# Altium PCB Copy of GPS_TRACKER_REVII.PcbDoc (part 2 of 2)
Units mm, origin at the board's own origin, x right, y up, seen from the top; angles counter-clockwise.
Board outline 100 x 74.9 mm, 4 copper layers (M1 Top, M2 Plane 1, M3 Layer 2, M4 Bottom), stack 1.49 mm thick; 83 components, 78 nets, 422 pads, 285 vias.
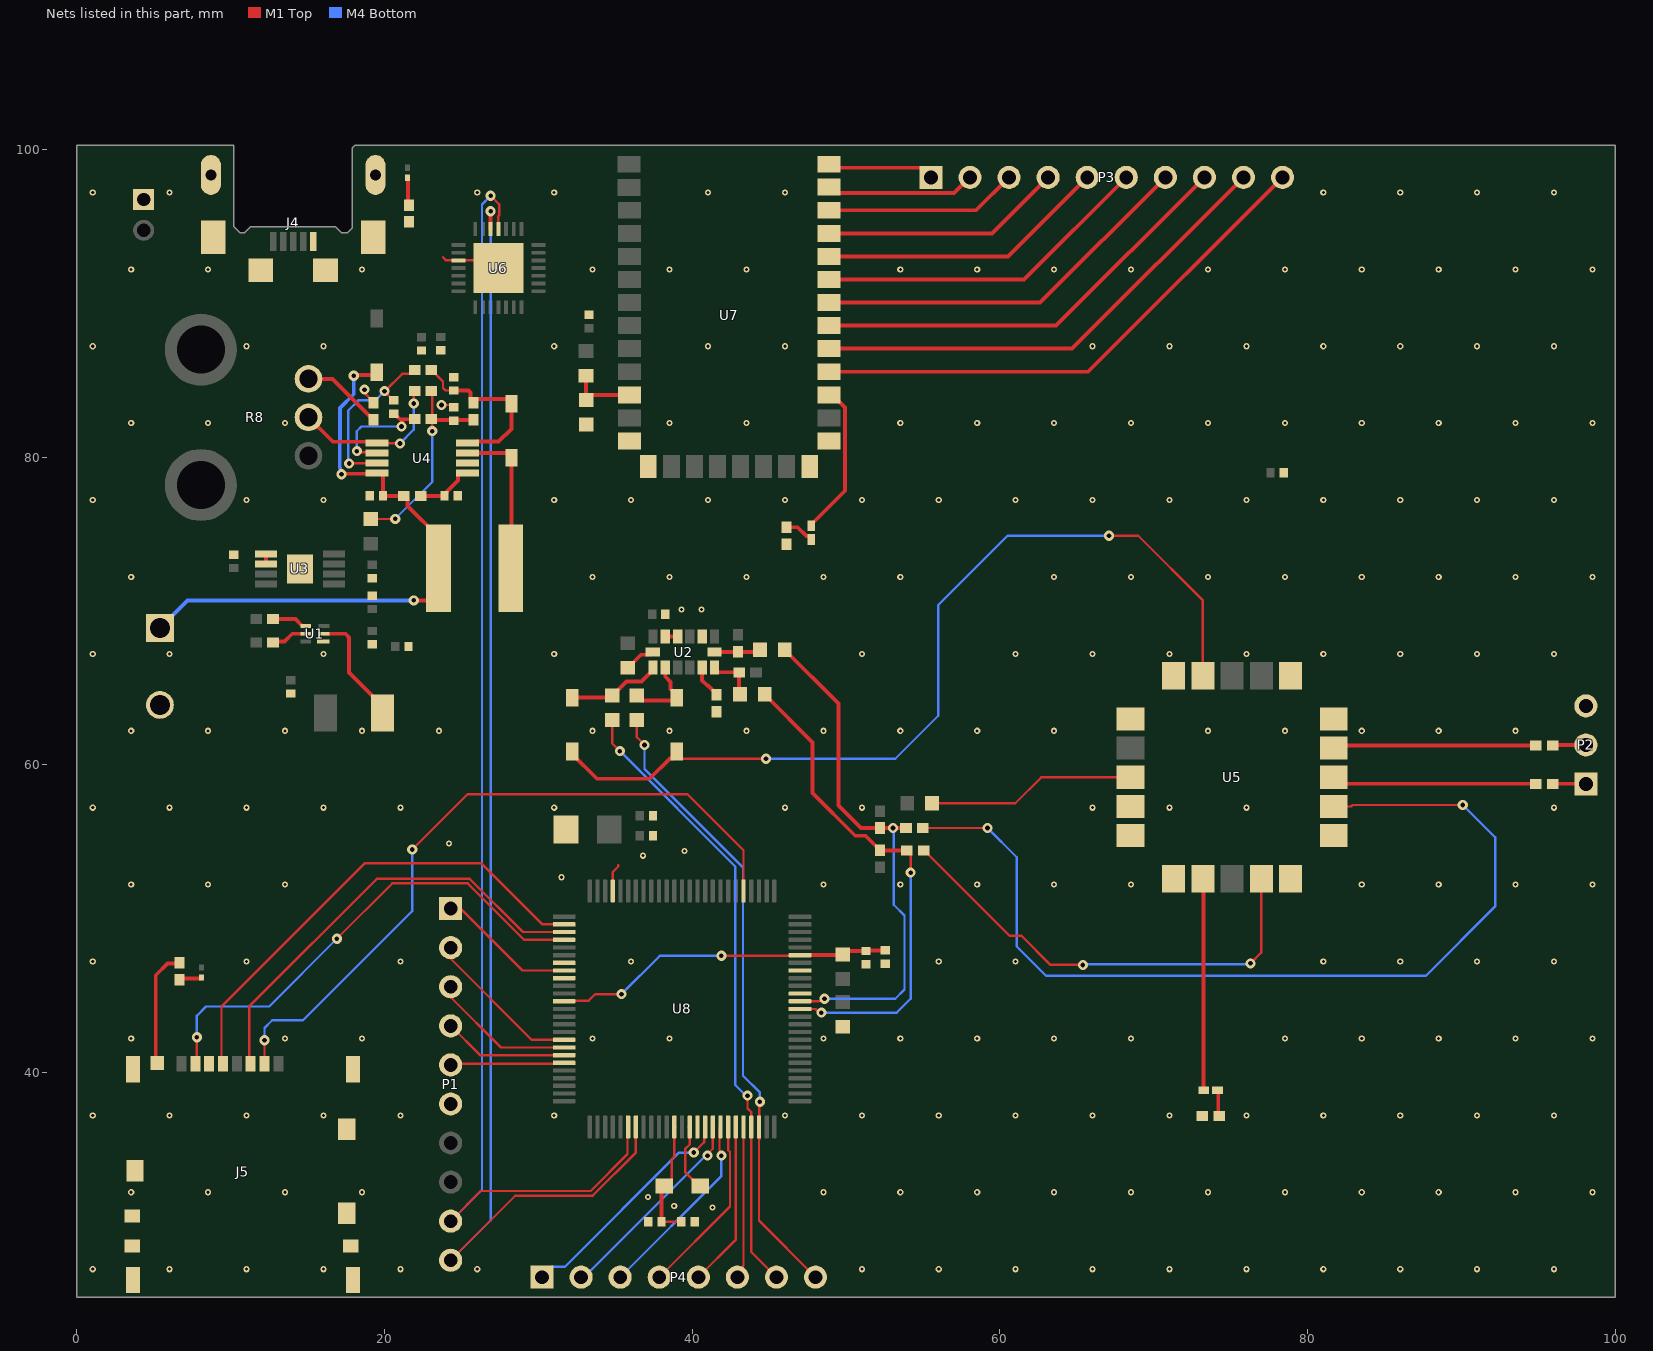
[diagram p4: the nets of this part, all layers, seen from the top]

## Via types
v1: diameter 0.4, hole 0.2, M1 Top to M4 Bottom, 221 vias
v2: diameter 0.66, hole 0.305, M1 Top to M4 Bottom, 61 vias
v3: diameter 0.61, hole 0.305, M1 Top to M4 Bottom, 3 vias

## Nets (pads, with @x,y where several pads share a name; then routed paths per layer and width w, separated by ;. In a path a pad name is that pad's centre, name@x,y a point inside that pad or via, vN(x,y) a via of type N, cw(c..) or ccw(c..) an arc to the next point about the centre after c; other vN are vias at no path point) (continued)
GND: C1.1 C2.1 C3.1 C4.1 C5.1 C6.1 C7.1 C9.1 C10.2 C11.1 C12.1 C13.1 C14.1 C15.1 C16.1 C17.1 C18.1 C19.1 C20.1 C21.1 C22.1 C23.1 J1.1 J3.2 J4.5 J4.S1 J4.S2 J4.S3 J4.S4 J4.S5 J4.S6 J5.6 J5.10 J5.A11 J5.B11 J5.C11 J5.D11 J5.E11 J5.F11 J5.G11 J5.H11 J5.J11 P1.6 P2.3 R9.1 R12.2 R15.1 R27.1 R28.2 R29.2 R31.2 U1.1 U2.2 U2.4 U2.5 U3.5 U3.6 U3.9 U4.2 U5.1 U5.4 U5.5 U5.6 U5.10 U5.11 U5.15 U5.16 U5.20 U6.3 U7.13 U7.14 U7.21 U7.22 U8.15 U8.40 U8.43 U8.72 U8.82 U8.84 | length 9.4
  M1 Top w0.152: J4.5@15.362,93.824 J4.5@15.362,94.033 ; v2(18.7,84.4) 18.797,84.303 18.797,84.078 19.275,83.6 R9.1@19.275,83.55 ; v2(23.7,83.4) 24.35,83.4 C7.1@24.5,83.25 ; 23.8,93 24,92.8 U6.3@24.8,92.8 26.9,92.8 U6.3@27.4,92.3 ; U8.72@34.781,51.866 U8.72@34.841,51.806 34.841,53.041 35.2,53.4 35.2,53.5
  M1 Top w0.254: U3.6@12.288,73.075 U3.5@12.288,73.725 ; U2.5@38.25,68.35 U2.4@39.05,68.35
  other v1: 1.03,27.22 6.03,27.22 11.03,27.22 16.03,27.22 21.03,27.22 26.03,27.22 51.03,27.22 56.03,27.22 61.03,27.22 66.03,27.22 71.03,27.22 76.03,27.22 81.03,27.22 86.03,27.22 91.03,27.22 96.03,27.22 41.33,31.22 38.83,31.32 37.13,31.92 3.53,32.22 8.53,32.22 13.53,32.22 18.53,32.22 48.53,32.22 53.53,32.22 58.53,32.22 63.53,32.22 68.53,32.22 73.53,32.22 78.53,32.22 83.53,32.22 88.53,32.22 93.53,32.22 98.53,32.22 1.03,37.22 6.03,37.22 11.03,37.22 16.03,37.22 21.03,37.22 31.03,37.22 46.03,37.22 51.03,37.22 56.03,37.22 61.03,37.22 66.03,37.22 71.03,37.22 76.03,37.22 81.03,37.22 86.03,37.22 91.03,37.22 96.03,37.22 3.53,42.22 13.53,42.22 18.53,42.22 33.53,42.22 38.53,42.22 48.53,42.22 53.53,42.22 58.53,42.22 63.53,42.22 68.53,42.22 78.53,42.22 83.53,42.22 88.53,42.22 93.53,42.22 98.53,42.22 1.03,47.22 11.03,47.22 21.03,47.22 36.03,47.22 56.03,47.22 61.03,47.22 81.03,47.22 86.03,47.22 91.03,47.22 96.03,47.22 3.53,52.22 8.53,52.22 13.53,52.22 48.53,52.22 53.53,52.22 58.53,52.22 63.53,52.22 68.53,52.22 83.53,52.22 88.53,52.22 93.53,52.22 98.53,52.22 31.5,52.7 36.8,54.1 39.5,54.4 24.2,54.9 1.03,57.22 6.03,57.22 11.03,57.22 16.03,57.22 21.03,57.22 31.03,57.22 46.03,57.22 51.03,57.22 66.03,57.22 71.03,57.22 76.03,57.22 96.03,57.22 3.53,62.22 8.53,62.22 13.53,62.22 18.53,62.22 23.53,62.22 33.53,62.22 38.53,62.22 43.53,62.22 48.53,62.22 53.53,62.22 58.53,62.22 63.53,62.22 73.53,62.22 78.53,62.22 83.53,62.22 88.53,62.22 93.53,62.22 1.03,67.22 6.03,67.22 16.03,67.22 31.03,67.22 51.03,67.22 61.03,67.22 66.03,67.22 71.03,67.22 76.03,67.22 81.03,67.22 86.03,67.22 91.03,67.22 96.03,67.22 39.3,70.1 40.6,70.1 3.53,72.22 33.53,72.22 38.53,72.22 43.53,72.22 48.53,72.22 53.53,72.22 63.53,72.22 68.53,72.22 73.53,72.22 78.53,72.22 83.53,72.22 88.53,72.22 93.53,72.22 98.53,72.22 1.03,77.22 11.03,77.22 16.03,77.22 31.03,77.22 36.03,77.22 41.03,77.22 46.03,77.22 51.03,77.22 56.03,77.22 61.03,77.22 66.03,77.22 71.03,77.22 76.03,77.22 81.03,77.22 86.03,77.22 91.03,77.22 96.03,77.22 3.53,82.22 8.53,82.22 13.53,82.22 38.53,82.22 43.53,82.22 53.53,82.22 58.53,82.22 63.53,82.22 68.53,82.22 73.53,82.22 78.53,82.22 83.53,82.22 88.53,82.22 93.53,82.22 98.53,82.22 1.03,87.22 11.03,87.22 16.03,87.22 31.03,87.22 41.03,87.22 46.03,87.22 66.03,87.22 71.03,87.22 76.03,87.22 81.03,87.22 86.03,87.22 91.03,87.22 96.03,87.22 3.53,92.22 8.53,92.22 18.53,92.22 33.53,92.22 38.53,92.22 43.53,92.22 53.53,92.22 58.53,92.22 63.53,92.22 68.53,92.22 73.53,92.22 78.53,92.22 83.53,92.22 88.53,92.22 93.53,92.22 98.53,92.22 1.03,97.22 6.03,97.22 26.03,97.22 31.03,97.22 41.03,97.22 46.03,97.22 81.03,97.22 86.03,97.22 91.03,97.22 96.03,97.22
MPPT_OUT: C7.2 R2.2 R3.1 R4.2 R7.1 | length 13.5
  M1 Top w0.152: R3.1@19.096,75.984 20.684,75.984 v2(20.7,76) ; R7.1@23.05,82.475 R7.1@23.095,82.43 ; R4.2@23.05,84.125 23.095,84.08 R7.1@23.095,82.43 ; v2(23.1,81.7) 23.1,82.425 R7.1@23.095,82.43
  M1 Top w0.254: R7.1@23.095,82.43 24.456,82.43 C7.2@24.5,82.386 24.532,82.418 25.743,82.418 R2.2@25.775,82.45
  M4 Bottom w0.152: v2(20.7,76) 23.1,78.4 v2(23.1,81.7)
NetC6_2: C6.2 D1.1 R2.1 R5.1 U4.4 | length 11.7
  M1 Top w0.152: R5.1@23.05,85.675 23.1,85.675 23.349,85.426 23.349,85.376 23.8,84.925 23.8,84.5 23.955,84.345 C6.2@24.5,84.345
  M1 Top w0.254: C6.2@24.5,84.345 25.455,84.345 25.6,84.2 25.6,83.725 R2.1@25.775,83.55 26.025,83.8 27.925,83.8 D1.1@28.25,83.475 28.25,81.85 27.415,81.015 26.002,81.015 25.904,80.917 U4.4@25.391,80.917
NetC8_1: C8.1 R7.2 U4.6 | length 7.7
  M1 Top w0.152: v2(18.2,80.4) 18.266,80.333 19.449,80.333 U4.6@19.515,80.267 ; C8.1@20.6,82.841 20.63,82.841 C8.1@20.824,82.647
  M1 Top w0.254: C8.1@20.824,82.647 20.996,82.475 21.2,82.475 ; v2(21.1,82) 21.178,82.078 21.178,82.453 21.2,82.475 ; R7.2@21.95,82.475 21.2,82.475
  M4 Bottom w0.152: v2(18.2,80.4) 18.2,81.7 18.5,82 v2(21.1,82)
NetC8_2: C8.2 R5.2 U4.7 | length 11.6
  M1 Top w0.152: v2(17.7,79.6) 17.717,79.617 U4.7@19.515,79.617 ; C8.2@20.6,83.705 20.57,83.705 20,84.275 21.163,85.437 21.663,85.437 21.9,85.675 R5.2@21.95,85.675
  M1 Top w0.254: C8.2@20.6,83.705 C8.2@20.63,83.705
  M4 Bottom w0.152: v2(17.7,79.6) 17.641,79.659 17.641,83.041 18.3,83.7 19.4,83.7 v2(20,84.3)
NetC9_2: C9.2 R6.1 U4.1 | length 3.9
  M1 Top w0.254: R6.1@22.35,77.475 22.362,77.487 23.882,77.487 C9.2@23.895,77.5 24.038,77.643 24.038,77.744 24.78,78.487 24.78,78.869 24.878,78.967 U4.1@25.391,78.967
NetC13_2: C13.2 C14.2 R11.1 U8.45 U8.87 | length 22.2
  M1 Top w0.152: U8.87@31.671,44.636 31.703,44.668 33.268,44.668 33.7,45.1 v2(35.4,45.1) ; v2(41.9,47.6) 46.975,47.6 U8.45@47.011,47.636
  M1 Top w0.254: U8.45@47.011,47.636 49.748,47.636 R11.1@49.796,47.684 50.017,47.905 C13.2@51.3,47.905 51.32,47.925 52.53,47.925 C14.2@52.55,47.945
  M4 Bottom w0.152: v2(35.4,45.1) 37.9,47.6 v2(41.9,47.6)
NetD1_2: D1.2 L2.2 U4.3 | length 10.2
  M1 Top w0.254: U4.3@25.391,80.267 27.977,80.267 28.25,79.994 D1.2@28.25,79.975 28.25,72.828 L2.2@28.207,72.785
NetD2_1: D2.1 R29.1 | length 1.8
  M1 Top w0.254: D2.1@21.5,98.175 21.538,98.137 21.538,96.437 R29.1@21.575,96.4
NetD3_1: D3.1 R28.1 | length 2
  M1 Top w0.254: R28.1@46.125,75.45 46.855,75.45 47.432,74.873 47.627,74.873 47.75,74.75 D3.1@47.75,74.65
NetD3_2: D3.2 U7.24 | length 10
  M1 Top w0.254: D3.2@47.75,75.55 47.75,75.65 49.923,77.823 49.923,83.232 49.094,84.061 U7.24@48.894,84.061
NetD4_1: D4.1 R31.1 | length 1.7
  M1 Top w0.254: D4.1@74.15,38.85 74.2,38.8 74.2,37.225 R31.1@74.25,37.175
NetD5_1: D5.1 R32.1 | length 1.5
  M1 Top w0.254: R32.1@6.675,46.05 6.737,46.113 8.062,46.113 8.1,46.151 D5.1@8.1,46.175
NetD7_1: D7.1 D8.1 U5.19 | length 59.7
  M1 Top w0.152: D7.1@39,60.875 39,60.724 39.324,60.4 v2(44.8,60.4) ; v2(67.1,74.9) 69,74.9 73.2,70.7 U5.19@73.2,65.8
  M1 Top w0.254: D8.1@32.2,60.875 32.2,60.7 33.8,59.1 37.225,59.1 38.552,60.427 38.727,60.427 39,60.7 D7.1@39,60.724
  M4 Bottom w0.152: v2(44.8,60.4) 53.2,60.4 56,63.2 56,70.4 60.5,74.9 v2(67.1,74.9)
NetD7_2: D7.2 R25.2 U2.9 | length 5.1
  M1 Top w0.254: R25.2@36.404,64.516 36.72,64.2 38.825,64.2 D7.2@39,64.375 39,64.55 38.6,64.95 38.6,65.4 38.25,65.75 U2.9@38.25,66.33
NetD8_2: D8.2 R33.2 U2.8 | length 6.2
  M1 Top w0.254: D8.2@32.2,64.375 34.663,64.375 R33.2@34.804,64.516 34.829,64.516 35.731,65.418 36.693,65.418 37.45,66.175 U2.8@37.45,66.33
NetL1_2: L1.2 U1.2 | length 7.5
  M1 Top w0.254: U1.2@16.071,68.527 17.456,68.527 17.7,68.283 17.7,66.001 19.874,63.827 L1.2@19.874,63.377
NetP3_1: P3.1 U7.34 | length 7
  M1 Top w0.254: U7.34@48.9,99.05 49.127,98.823 54.897,98.823 P3.1@55.52,98.2
NetP3_2: P3.2 U7.33 | length 9.8
  M1 Top w0.254: U7.33@48.894,97.561 49.284,97.171 57.031,97.171 P3.2@58.06,98.2
NetP3_3: P3.3 U7.32 | length 12.6
  M1 Top w0.254: U7.32@48.894,96.061 58.461,96.061 P3.3@60.6,98.2
NetP3_4: P3.4 U7.31 | length 15.8
  M1 Top w0.254: U7.31@48.894,94.561 59.501,94.561 P3.4@63.14,98.2
NetP3_5: P3.5 U7.30 | length 18.9
  M1 Top w0.254: U7.30@48.894,93.061 60.541,93.061 P3.5@65.68,98.2
NetP3_6: P3.6 U7.29 | length 22.1
  M1 Top w0.254: U7.29@48.894,91.561 61.581,91.561 P3.6@68.22,98.2
NetP3_7: P3.7 U7.28 | length 25.2
  M1 Top w0.254: U7.28@48.894,90.061 62.621,90.061 P3.7@70.76,98.2
NetP3_8: P3.8 U7.27 | length 28.4
  M1 Top w0.254: U7.27@48.894,88.561 63.661,88.561 P3.8@73.3,98.2
NetP3_9: P3.9 U7.26 | length 31.6
  M1 Top w0.254: U7.26@48.894,87.061 64.701,87.061 P3.9@75.84,98.2
NetP3_10: P3.10 U7.25 | length 34.7
  M1 Top w0.254: U7.25@48.894,85.561 65.741,85.561 P3.10@78.38,98.2
NetP4_1: P4.1 U8.16 | length 15.2
  M1 Top w0.152: v2(40.1,34.8) 40.777,35.477 40.777,36.402 U8.16@40.841,36.466
  M4 Bottom w0.152: P4.1@30.24,26.7 30.914,27.374 31.725,27.374 39.151,34.8 v2(40.1,34.8)
NetP4_2: P4.2 U8.17 | length 13.5
  M1 Top w0.152: v2(41,34.6) 41,34.708 41.341,35.049 U8.17@41.341,36.466
  M4 Bottom w0.152: P4.2@32.78,26.7 32.963,26.7 40.863,34.6 v2(41,34.6)
NetP4_3: P4.3 U8.18 | length 12.6
  M1 Top w0.152: U8.18@41.841,36.466 41.777,36.402 41.777,34.723 v2(41.9,34.6)
  M4 Bottom w0.152: P4.3@35.32,26.7 41.9,33.28 v2(41.9,34.6)
NetP4_4: P4.4 U8.19 | length 11.7
  M1 Top w0.152: P4.4@37.86,26.7 42.459,31.299 42.459,34.831 42.341,34.949 U8.19@42.341,36.466
NetP4_5: P4.5 U8.20 | length 10.8
  M1 Top w0.152: P4.5@40.4,26.7 42.841,29.141 U8.20@42.841,36.466
NetP4_6: P4.6 U8.21 | length 10.1
  M1 Top w0.152: P4.6@42.94,26.7 42.94,27.065 43.341,27.466 U8.21@43.341,36.466 U8.21@43.337,36.462
  M4 Bottom w0.152: P4.6@42.94,26.7 P4.6@43.02,26.78
NetP4_7: P4.7 R33.1 U8.22 | length 40.7
  M1 Top w0.152: R33.1@34.804,62.916 34.804,61.396 v2(35.3,60.9) ; v2(43.6,38.5) 43.6,37.671 43.841,37.43 U8.22@43.841,36.466 43.841,28.339 P4.7@45.48,26.7
  M4 Bottom w0.152: v2(35.3,60.9) 42.8,53.4 42.8,39.2 43.5,38.5 v2(43.6,38.5)
NetP4_8: P4.8 R25.1 U8.23 | length 41.9
  M1 Top w0.152: R25.1@36.404,62.916 36.404,61.796 v2(36.9,61.3) ; v2(44.4,38.1) 44.371,38.071 U8.23@44.371,36.437 ; 44.405,35.7 44.405,36.402 U8.23@44.371,36.437 ; P4.8@48.02,26.7 44.341,30.379 U8.23@44.341,36.466 U8.23@44.371,36.437
  M4 Bottom w0.152: v2(36.9,61.3) 36.9,59.731 43.3,53.331 43.3,39.8 44.4,38.7 v2(44.4,38.1)
NetR1_1: R1.1 U1.4 | length 2.3
  M1 Top w0.254: R1.1@12.75,69.475 14.202,69.475 14.65,69.027 U1.4@14.871,69.027
NetR4_1: R4.1 R8.2 U4.5 | length 10.3
  M1 Top w0.152: U4.5@19.515,80.917 19.523,80.908 20.992,80.908 v2(21,80.9) ; v2(21.9,83.5) 21.9,84.275 R4.1@21.95,84.325
  M1 Top w0.254: R8.2@15.058,82.599 16.647,81.01 19.422,81.01 U4.5@19.515,80.917
  M4 Bottom w0.152: v2(21,80.9) 21.9,81.8 v2@21.9,83.3
NetR8_3: R8.3 R9.2 | length 5.3
  M1 Top w0.254: R8.3@15.058,85.099 16.626,85.099 19.027,82.698 19.077,82.698 19.275,82.5 R9.2@19.275,82.45
NetR10_1: R10.1 U1.5 | length 2.3
  M1 Top w0.254: R10.1@12.75,67.975 12.807,68.032 13.506,68.032 14.001,68.527 U1.5@14.871,68.527
NetR13_1: R13.1 R24.1 U2.14 | length 3
  M1 Top w0.254: U2.14@41.46,67.34 44.26,67.34 R24.1@44.416,67.496
NetR14_1: R14.1 R16.1 U2.13 | length 3.3
  M1 Top w0.254: U2.13@41.45,66.33 41.45,66.203 41.628,66.025 R14.1@43.05,66.025 43.05,64.662 R16.1@43.116,64.596
NetR15_2: R15.2 U2.12 | length 2.2
  M1 Top w0.254: U2.12@40.65,66.33 40.65,65.489 40.982,65.157 41.018,65.157 41.575,64.6 R15.2@41.575,64.55
NetR17_1: R17.1 U5.3 | length 13.6
  M1 Top w0.152: R17.1@55.584,57.504 61.004,57.504 62.7,59.2 U5.3@68.5,59.2
NetR20_2: R20.2 U5.12 | length 62.3
  M1 Top w0.152: R20.2@55,55.9 v2(59.2,55.9) ; U5.12@81.7,57.3 82.829,57.3 82.929,57.4 v2(90.1,57.4)
  M4 Bottom w0.152: v2(59.2,55.9) 61.1,54 61.1,48.2 63,46.3 87.7,46.3 92.2,50.8 92.2,55.3 v2(90.1,57.4)
NetR21_2: R21.2 U5.9 | length 30.2
  M1 Top w0.152: R21.2@55.05,54.425 55.1,54.425 60.625,48.9 61.4,48.9 63.3,47 v2(65.4,47) ; v2(76.3,47.1) 77,47.8 U5.9@77,52.6
  M4 Bottom w0.152: v2(65.4,47) 65.45,47.05 76.25,47.05 v2(76.3,47.1)
NetR22_2: R22.2 U5.13 | length 13.3
  M1 Top w0.254: U5.13@81.7,59.2 82.125,58.775 R22.2@94.85,58.775
NetR23_2: R23.2 U5.14 | length 13.2
  M1 Top w0.254: U5.14@81.7,61.1 81.875,61.275 R23.2@94.85,61.275
NetR26_2: R26.2 R27.2 U7.11 | length 4.5
  M1 Top w0.254: R26.2@33.1,85.3 33.1,83.74 R27.2@33.108,83.732 33.431,84.055 34.781,84.055 34.787,84.061 U7.11@35.918,84.061
NetR30_1: R30.1 U2.7 | length 2.1
  M1 Top w0.254: R30.1@35.804,66.316 35.829,66.316 36.675,67.162 37.262,67.162 U2.7@37.44,67.34
nRST: P1.1 U8.83 | length 9
  M1 Top w0.152: P1.1@24.3,50.66 24.94,50.66 28.964,46.636 U8.83@31.671,46.636
PC_RXD: P1.9 U6.25 U8.6 | length 85.8
  M1 Top w0.152: P1.9@24.3,30.34 26.26,32.3 33.4,32.3 35.8,34.7 35.8,36.425 U8.6@35.841,36.466 U8.6@35.841,35.871 ; v2(26.9,97) 27.459,96.441 27.459,95.733 27.4,95.674 U6.25@27.4,94.85
  M4 Bottom w0.152: P1.9@24.3,30.34 26.341,32.381 26.341,96.441 v2(26.9,97)
PC_TXD: P1.10 U6.26 U8.7 | length 87
  M1 Top w0.152: P1.10@24.3,27.8 28.495,31.995 33.526,31.995 36.341,34.81 U8.7@36.341,36.466
  M1 Top w0.254: U6.26@26.9,94.85 v2(26.9,96)
  M4 Bottom w0.152: P1.10@24.3,27.8 26.9,30.4 v2(26.9,96)
PPS: D4.2 U5.7 | length 13.8
  M1 Top w0.254: U5.7@73.2,52.6 73.25,52.55 D4.2@73.25,38.85
"SAM RXD": P2.2 R23.1 | length 2.2
  M1 Top w0.254: R23.1@95.95,61.275 95.962,61.287 98.087,61.287 P2.2@98.1,61.3
"SAM TXD": P2.1 R22.1 | length 2.2
  M1 Top w0.254: R22.1@95.95,58.775 98.085,58.775 P2.1@98.1,58.76
SCL: R18.1 R20.1 R24.2 U8.39 | length 34.5
  M1 Top w0.152: U8.39@47.011,44.636 48.299,44.636 48.463,44.8 v2(48.6,44.8)
  M1 Top w0.254: R24.2@46.016,67.496 46.016,67.471 49.5,63.987 49.5,57.362 50.962,55.9 R18.1@52.2,55.9 v2(53.05,55.9) R20.1@53.9,55.9
  M4 Bottom w0.152: v2(48.6,44.8) 53.2,44.8 53.8,45.4 53.8,50.206 53.1,50.906 v2@53.1,55.9
SD_CLK: J5.5 U8.77 | length 31.5
  M1 Top w0.152: J5.5@9.498,40.567 9.398,40.667 9.398,44.298 18.7,53.6 26.3,53.6 30.264,49.636 U8.77@31.671,49.636
SD_CS: J5.2 U8.55 | length 46.3
  M1 Top w0.152: J5.2@12.198,40.567 v2(12.198,42.098) ; v2(21.8,54.5) 25.4,58.1 39.7,58.1 43.341,54.459 U8.55@43.341,51.806
  M4 Bottom w0.152: v2(12.198,42.098) 12.198,42.896 12.7,43.398 14.698,43.398 21.8,50.5 v2(21.8,54.5)
SD_MISO: J5.7 U8.79 | length 32.1
  M1 Top w0.152: J5.7@7.698,40.567 7.8,40.669 v2(7.8,42.3) ; v2(16.9,48.7) 20.5,52.3 25.406,52.3 29.07,48.636 U8.79@31.671,48.636
  M4 Bottom w0.152: v2(7.8,42.3) 7.8,43.7 8.4,44.3 12.5,44.3 v2(16.9,48.7)
SD_MOSI: J5.3 U8.78 | length 29.1
  M1 Top w0.152: J5.3@11.298,40.567 11.198,40.667 11.198,44.298 19.505,52.605 25.532,52.605 29.001,49.136 U8.78@31.671,49.136
SD_SW: J5.9 R32.2 | length 7.7
  M1 Top w0.254: J5.9@5.228,40.617 5.128,40.717 5.128,46.328 5.9,47.1 6.675,47.1 R32.2@6.675,47.15
SDA: R16.2 R19.1 R21.1 U8.38 | length 32.8
  M1 Top w0.152: U8.38@47.011,44.136 48.026,44.136 48.262,43.9 v2(48.4,43.9) ; R21.1@53.951,54.425 54.2,54.176 v2(54.2,53)
  M1 Top w0.254: R16.2@44.716,64.596 44.716,64.571 47.835,61.452 47.835,58.165 50.6,55.4 51.275,55.4 R19.1@52.225,54.45 52.238,54.438 53.937,54.438 R21.1@53.95,54.425
  M4 Bottom w0.152: v2(48.4,43.9) 48.49,43.9 53.3,43.9 54.2,44.8 v2(54.2,53)
"SOLAR IN": C5.2 D6.1 J3.1 L2.1 R6.2 U4.8 | length 40.2
  M1 Top w0.254: v2(17.2,78.9) 17.234,78.933 19.482,78.933 U4.8@19.515,78.967 19.807,78.967 19.905,78.869 C5.2@19.905,77.5 19.918,77.487 21.288,77.487 21.498,77.277 21.498,76.844 23.507,74.835 L2.1@23.507,72.785 23.507,71.373 22.834,70.7 v2(21.9,70.7) ; v2(18,85.3) 18.05,85.35 19.5,85.35 D6.1@19.5,85.525
  M4 Bottom w0.254: J3.1@5.4,68.9 7.2,70.7 v2(21.9,70.7) ; v2(17.2,78.9) 17.122,78.978 17.122,79.316 17.09,79.347 17.09,81.095 17.1,81.105 17.1,83.2 18,84.1 v2(18,85.3)
TCK_SWDCLK: P1.5 U8.95 | length 7.4
  M1 Top w0.152: P1.5@24.3,40.5 24.372,40.572 31.607,40.572 U8.95@31.671,40.636
TDI: P1.2 U8.92 | length 10.3
  M1 Top w0.152: P1.2@24.3,48.12 24.3,47.4 29.564,42.136 U8.92@31.671,42.136
TDO_SWO: P1.3 U8.93 | length 9.4
  M1 Top w0.152: P1.3@24.3,45.58 24.3,44.9 27.564,41.636 U8.93@31.671,41.636
TMS_SWDIO: P1.4 U8.94 | length 8.2
  M1 Top w0.152: P1.4@24.3,43.04 26.204,41.136 U8.94@31.671,41.136
VCORE: C15.2 C16.2 L3.2 U8.12 | length 7.9
  M1 Top w0.152: C15.2@38.005,30.3 C16.2@39.295,30.3 ; L3.2@38.178,32.625 38.253,32.625 38.677,33.049 38.677,34.378 38.841,34.542 U8.12@38.841,36.466
  M1 Top w0.254: C15.2@38.005,30.3 38.005,32.452 L3.2@38.178,32.625 ; U8.12@38.841,36.466 U8.12@38.854,36.453
VSW: L3.1 U8.14 | length 4.4
  M1 Top w0.152: U8.14@39.828,36.453 39.841,36.44 39.841,35.331 39.541,35.031 39.541,33.537 40.453,32.625 L3.1@40.528,32.625
  M1 Top w0.254: U8.14@39.828,36.453 U8.14@39.841,36.466
pads on no net: J4.4 J5.1 J5.8 R8.1 R8.MH1 R8.MH2 U2.3 U2.10 U2.11 U3.1 U3.4 U6.1 U6.2 U6.6 U6.9 U6.10 U6.11 U6.12 U6.13 U6.14 U6.15 U6.16 U6.17 U6.18 U6.19 U6.20 U6.21 U6.22 U6.23 U6.24 U6.27 U6.28 U7.3 U7.4 U7.5 U7.6 U7.7 U7.8 U7.9 U7.10 U7.15 U7.16 U7.17 U7.18 U7.19 U7.20 U7.23 U8.1 U8.2 U8.3 U8.4 U8.5 U8.8 U8.9 U8.10 U8.11 U8.24 U8.25 U8.26 U8.27 U8.28 U8.29 U8.30 U8.31 U8.32 U8.33 U8.34 U8.35 U8.36 U8.37 U8.41 U8.42 U8.46 U8.47 U8.48 U8.49 U8.50 U8.51 U8.52 U8.53 U8.54 U8.56 U8.57 U8.58 U8.59 U8.60 U8.61 U8.62 U8.63 U8.64 U8.65 U8.66 U8.67 U8.68 U8.69 U8.70 U8.71 U8.74 U8.75 U8.76 U8.80 U8.81 U8.85 U8.86 U8.88 U8.89 U8.90 U8.91 U8.96 U8.97 U8.100

## Polygon pours and split planes (outlines as drawn)
GND on M1 Top "M1 Top-GND" (solid, pour order 0): 0,100.3 0.2,100.1 100,100.1 100,25.4 0.1,25.4
no net on M1 Top "M1 Top-No Net" (solid, pour order 2): 14,98.8
GND on M4 Bottom "M4 Bottom-GND" (solid, pour order 4): 0,100.3 0.2,100.1 100,100.1 100,25.4 0.1,25.4
GND on M2 Plane 1 (split plane): 99.49,25.91 0.51,25.91 0.51,99.79 9.69,99.79 9.69,95 9.699,94.9 9.728,94.805 9.776,94.716 9.839,94.639 10.239,94.239 10.316,94.176 10.405,94.128 10.5,94.099 10.6,94.09 10.9,94.09 11,94.099 11.095,94.128 11.184,94.176 11.261,94.239 11.361,94.339 11.511,94.49 16.589,94.49 16.839,94.239 16.916,94.176 17.005,94.128 17.1,94.099 17.2,94.09 17.6,94.09 17.7,94.099 17.795,94.128 17.884,94.176 17.961,94.239 18.261,94.539 18.324,94.616 18.372,94.705 18.401,94.8 18.41,94.9 18.41,99.79 99.49,99.79
3v3 on M3 Layer 2 (split plane): 99.49,25.91 0.51,25.91 0.51,99.79 9.69,99.79 9.69,95 9.699,94.9 9.728,94.805 9.776,94.716 9.839,94.639 10.239,94.239 10.316,94.176 10.405,94.128 10.5,94.099 10.6,94.09 10.9,94.09 11,94.099 11.095,94.128 11.184,94.176 11.261,94.239 11.361,94.339 11.511,94.49 16.589,94.49 16.839,94.239 16.916,94.176 17.005,94.128 17.1,94.099 17.2,94.09 17.6,94.09 17.7,94.099 17.795,94.128 17.884,94.176 17.961,94.239 18.261,94.539 18.324,94.616 18.372,94.705 18.401,94.8 18.41,94.9 18.41,99.79 99.49,99.79

## Other copper
M1 Top:
  pour cut-out: 10.2,100.3 18.1,100.3 17.9,100.1 17.9,94.9 17.6,94.6 17.2,94.6 16.8,95 11.3,95 10.9,94.6 10.6,94.6 10.2,95
  region: 16.1,66.4
  region net 3v3: 15.2,66.95 16.1,66.05 16.1,66 15.4,66 15.2,65.8
  region: 15.7,66.6
  region net 3v3: 15.2,68.1 14.5,68.1 13.5,67.1 13.5,65.8 15.2,65.8
  region net 3v3: 16.9,63.8 16.9,66.1 13.5,66.1 13.5,65.5
  text ".layer_name" at 37.643,-15.359 h1.02
M4 Bottom:
  pour cut-out: 10.2,100.3 10.2,95 10.6,94.6 10.9,94.6 11.3,95 16.8,95 17.2,94.6 17.6,94.6 17.9,94.9 17.9,100.1 18.1,100.3
  text ".layer_name" at 36.373,-15.189 h1.02
M2 Plane 1 (plane layer: these items are gaps in the copper):
  text ".layer_name" at 35.738,-15.316 h1.02
M3 Layer 2 (plane layer: these items are gaps in the copper):
  text ".layer_name" at 35.738,-15.359 h1.02

## Silkscreen, mask and mechanical layers (free items; w line width, h text height)
Top Overlay:
  drawing of 2 lines, arcs and shapes, not listed
Drill Drawing:
  circle w0.076: c104.606,21.081 r0.234
  lines w0.076: 104.372,18.978 104.606,18.745 104.839,18.978 104.606,19.212 104.372,18.978 ; 104.372,19.796 104.372,19.913 104.489,20.03 104.372,20.147 104.372,20.263 104.489,20.263 104.606,20.147 104.723,20.263 104.839,20.263 104.839,20.147 104.723,20.03 104.839,19.913 104.839,19.796 104.723,19.796 104.606,19.913 104.489,19.796 104.372,19.796 ; 104.372,21.899 104.839,21.899 104.839,22.366 104.372,22.366 104.372,21.899 ; 104.372,23.067 104.489,23.067 104.489,22.95 104.723,22.95 104.723,23.067 104.839,23.067 104.839,23.301 104.723,23.301 104.723,23.418 104.489,23.418 104.489,23.301 104.372,23.301 104.372,23.067 ; 104.372,24.002 104.606,24.119 104.839,24.002 104.723,24.235 104.839,24.469 104.606,24.352 104.372,24.469 104.489,24.235 104.372,24.002 ; 104.372,25.52 104.839,25.52 104.606,25.053 104.372,25.52 ; 104.372,26.221 104.489,26.221 104.606,26.105 104.723,26.221 104.839,26.221 104.723,26.338 104.839,26.455 104.723,26.455 104.606,26.572 104.489,26.455 104.372,26.455 104.489,26.338 104.372,26.221 ; 104.372,27.156 104.839,27.156 104.839,27.623 104.372,27.623 104.372,27.156 ; 104.466,21.992 104.746,21.992 104.746,22.273 104.466,22.273 104.466,21.992
  lines w0.381: 103.951,18.429 148.448,18.429 ; 103.951,27.892 148.448,27.892 ; 106.653,17.378 106.653,28.943 ; 109.129,17.378 109.129,28.943 ; 113.989,17.378 113.989,28.943 ; 116.084,17.378 116.084,28.943 ; 119.135,17.378 119.135,28.943 ; 123.846,17.378 123.846,28.943 ; 126.346,17.378 126.346,28.943 ; 129.611,17.378 129.611,28.943 ; 134.791,17.378 134.791,28.943 ; 138.07,17.378 138.07,28.943 ; 143.17,17.378 143.17,28.943 ; 103.951,17.378 148.448,17.378 148.448,28.943 103.951,28.943 103.951,17.378
  text "Symbol" at 104.582,28.207 h0.61
  text "Count" at 106.969,28.207 h0.61
  text "Hole Size" at 109.444,28.207 h0.61
  text "Plated" at 114.304,28.207 h0.61
  text "Hole Type" at 116.4,28.207 h0.61
  text "Drill Layer Pair" at 119.45,28.207 h0.61
  text "Via/Pad" at 124.161,28.207 h0.61
  text "Pad Shape" at 126.661,28.207 h0.61
  text "Template" at 129.926,28.207 h0.61
  text "Description" at 135.106,28.207 h0.61
  text "Hole Tolerance (+)" at 138.386,28.207 h0.61
  text "Hole Tolerance (-)" at 143.485,28.207 h0.61
  text "2" at 106.969,27.156 h0.51
  text "27.56mil (0.700mm)" at 109.444,27.156 h0.51
  text "PTH" at 114.304,27.156 h0.51
  text "Slot" at 116.4,27.156 h0.51
  text "M1 Top - M4 Bottom" at 119.45,27.156 h0.51
  text "Pad" at 124.161,27.156 h0.51
  text "Rounded" at 126.661,27.156 h0.51
  text "r260_130h70_150r100" at 129.926,27.156 h0.51
  text "2" at 106.969,26.105 h0.51
  text "33.86mil (0.860mm)" at 109.444,26.105 h0.51
  text "PTH" at 114.304,26.105 h0.51
  text "Round" at 116.4,26.105 h0.51
  text "M1 Top - M4 Bottom" at 119.45,26.105 h0.51
  text "Pad" at 124.161,26.105 h0.51
  text "(Mixed)" at 126.661,26.105 h0.51
  text "(Mixed)" at 129.926,26.105 h0.51
  text "2" at 106.969,25.053 h0.51
  text "51.18mil (1.300mm)" at 109.444,25.053 h0.51
  text "PTH" at 114.304,25.053 h0.51
  text "Round" at 116.4,25.053 h0.51
  text "M1 Top - M4 Bottom" at 119.45,25.053 h0.51
  text "Pad" at 124.161,25.053 h0.51
  text "(Mixed)" at 126.661,25.053 h0.51
  text "(Mixed)" at 129.926,25.053 h0.51
  text "2" at 106.969,24.002 h0.51
  text "122.84mil (3.120mm)" at 109.444,24.002 h0.51
  text "PTH" at 114.304,24.002 h0.51
  text "Round" at 116.4,24.002 h0.51
  text "M1 Top - M4 Bottom" at 119.45,24.002 h0.51
  text "Pad" at 124.161,24.002 h0.51
  text "Rounded" at 126.661,24.002 h0.51
  text "c468h312" at 129.926,24.002 h0.51
  text "3" at 106.969,22.95 h0.51
  text "47.24mil (1.200mm)" at 109.444,22.95 h0.51
  text "PTH" at 114.304,22.95 h0.51
  text "Round" at 116.4,22.95 h0.51
  text "M1 Top - M4 Bottom" at 119.45,22.95 h0.51
  text "Pad" at 124.161,22.95 h0.51
  text "Rounded" at 126.661,22.95 h0.51
  text "c180h120" at 129.926,22.95 h0.51
  text "4" at 106.969,21.899 h0.51
  text "12.01mil (0.305mm)" at 109.444,21.899 h0.51
  text "PTH" at 114.304,21.899 h0.51
  text "Round" at 116.4,21.899 h0.51
  text "M1 Top - M4 Bottom" at 119.45,21.899 h0.51
  text "Via" at 124.161,21.899 h0.51
  text "Rounded" at 126.661,21.899 h0.51
  text "(Mixed)" at 129.926,21.899 h0.51
  text "31" at 106.969,20.848 h0.51
  text "35.43mil (0.900mm)" at 109.444,20.848 h0.51
  text "PTH" at 114.304,20.848 h0.51
  text "Round" at 116.4,20.848 h0.51
  text "M1 Top - M4 Bottom" at 119.45,20.848 h0.51
  text "Pad" at 124.161,20.848 h0.51
  text "(Mixed)" at 126.661,20.848 h0.51
  text "(Mixed)" at 129.926,20.848 h0.51
  text "60" at 106.969,19.796 h0.51
  text "12.00mil (0.305mm)" at 109.444,19.796 h0.51
  text "PTH" at 114.304,19.796 h0.51
  text "Round" at 116.4,19.796 h0.51
  text "M1 Top - M4 Bottom" at 119.45,19.796 h0.51
  text "Via" at 124.161,19.796 h0.51
  text "Rounded" at 126.661,19.796 h0.51
  text "v66h30" at 129.926,19.796 h0.51
  text "221" at 106.969,18.745 h0.51
  text "7.87mil (0.200mm)" at 109.444,18.745 h0.51
  text "PTH" at 114.304,18.745 h0.51
  text "Round" at 116.4,18.745 h0.51
  text "M1 Top - M4 Bottom" at 119.45,18.745 h0.51
  text "Via" at 124.161,18.745 h0.51
  text "Rounded" at 126.661,18.745 h0.51
  text "v40h20" at 129.926,18.745 h0.51
  text "327 Total" at 106.969,17.693 h0.51
  text "Slot definitions :" at 104.582,16.957 h0.51
  text "Routed Path Length" at 108.047,16.957 h0.51
  text "= Calculated from tool start centre position to tool end centre position." at 112.339,16.957 h0.51
  text "Hole Length" at 108.047,16.537 h0.51
  text "= Routed Path Length + Tool Size = Slot length as defined in the PCB layout" at 110.745,16.537 h0.51
Board Outline:
  lines w0.254: 11,94.7 10.9,94.6 10.6,94.6 10.2,95 10.2,100.3 0,100.3 0,25.4 0.5,25.4 100,25.4 100,100.3 18.1,100.3 17.9,100.1 17.9,94.9 17.6,94.6 17.2,94.6 16.8,95 11.3,95 11,94.7 ; 11,94.7 11,94.7
Fabrication:
  drawing of 225 lines, arcs and shapes, not listed
  text "1) RIGID PCB, 4 LAYER /  / 2) BOARD OUTLINE DEFINED ON GM29, FABRICATION NOTES ON GM30 (AND OVERLAID ON EACH FILE). /  / 3) BOARD THICKNESS, 1.575MM +/- 10%, MEASURED CU TO CU /  / 4) BOARD MATERIAL: MULTI-FUNCTIONAL FR-4 EPOXY GLASS LAMINATE, ISOLA 370HR OR EQUIVALENT. MEETS OR EXCEEDS IPC-4101 (INCL. /21) /  / 5) BOARD FINISH: PLATE ALL EXPOSED CONDUCTIVE PATTERN AREAS ELECTROLESS NICKEL IMMERSION GOLD. MINIMUM NI/AU THICKNESSES PER IPC-4552. /  / 6) BOARD CLASS: BOARD SHALL BE FABRICATED TO IPC CLASS 2 PER IPC-6012 RIGID (CURRENT REV.).  INSPECTION PER IPC-A-600 2 (CURRENT REV.) /  / 7) BOARD SOLDERMASK: LPI SOLDERMASK OVER BARE COPPER (SMOBC), COLOR: BLACK, BOTH SIDES. PROCESS SHALL CONFORM TO IPC-SM-840, CLASS H. /  / 8) BOARD SILKSCREEN: NON-CONDUCTIVE EPOXY INK, COLOR: WHITE, BOTH SIDES /  / 9) NO COPPER THIEVING ALLOWED ON ANY LAYER. /  / 10) BOARD BOW AND TWIST: MEET IPC-TM-650 /  / 11) 0.5OZ (18UM) CU LAMINATE ON EXTERNAL LAYERS BEFORE PLATING WITH A MIN. OF 1.0OZ (35UM) FINISHED." at 157.48,114.3 h0.76
  text "FABRICATION NOTES" at 128.634,93.82 h2
  text "Layer" at 108.492,50.129 h1.01
  text "Name" at 112.721,50.129 h1.01
  text "Material" at 120.898,50.129 h1.01
  text "Thickness" at 128.247,50.129 h1.01
  text "Constant" at 134.284,50.129 h1.01
  text "Board Layer Stack" at 139.87,50.129 h1.01
  text "Top Overlay" at 112.721,48.108 h1.01
  text "Top Solder" at 112.721,46.087 h1.01
  text "Solder Resist" at 120.898,46.087 h1.01
  text "0.40mil" at 128.247,46.087 h1.01
  text "3.5" at 134.284,46.087 h1.01
  text "1" at 108.492,44.066 h1.01
  text "M1 Top" at 112.721,44.066 h1.01
  text "Copper" at 120.898,44.066 h1.01
  text "1.38mil" at 128.247,44.066 h1.01
  text "Dielectric 1-2" at 112.721,42.045 h1.01
  text "PP-006" at 120.898,42.045 h1.01
  text "4.33mil" at 128.247,42.045 h1.01
  text "4.29" at 134.284,42.045 h1.01
  text "2" at 108.491,40.025 h1.01
  text "M2 Plane 1" at 112.721,40.025 h1.01
  text "Copper" at 120.898,40.025 h1.01
  text "1.38mil" at 128.247,40.025 h1.01
  text "Dielectric 2-3" at 112.721,38.004 h1.01
  text "FR-4" at 120.898,38.004 h1.01
  text "44.49mil" at 128.247,38.004 h1.01
  text "3.96" at 134.284,38.004 h1.01
  text "3" at 108.492,35.983 h1.01
  text "M3 Layer 2" at 112.721,35.983 h1.01
  text "Copper" at 120.898,35.983 h1.01
  text "1.38mil" at 128.247,35.983 h1.01
  text "Dielectric 3-4" at 112.721,33.962 h1.01
  text "PP-006" at 120.898,33.962 h1.01
  text "4.33mil" at 128.247,33.962 h1.01
  text "4.29" at 134.284,33.962 h1.01
  text "4" at 108.492,31.941 h1.01
  text "M4 Bottom" at 112.721,31.941 h1.01
  text "Copper" at 120.898,31.941 h1.01
  text "1.38mil" at 128.247,31.941 h1.01
  text "Bottom Solder" at 112.721,29.92 h1.01
  text "Solder Resist" at 120.898,29.92 h1.01
  text "0.40mil" at 128.247,29.92 h1.01
  text "3.5" at 134.284,29.92 h1.01
  text "Bottom Overlay" at 112.721,27.9 h1.01
  text "Total board thickness:" at 108.492,25.879 h1.01
  text "59.46mil" at 128.247,25.879 h1.01
  text "PROJECT" at 17.919,-5.557 h1.7
  text "'.project_name'" at 26.844,-5.964 h1.5
  text "ID" at 17.919,-7.257 h1.7
  text "DATE" at 17.919,-8.932 h1.7
  text ".Print_Date .Print_Time" at 26.844,-8.932 h1.5
  text "VARIANT" at 17.919,-10.607 h1.7
  text "'.VariantName'" at 26.844,-10.607 h1.5
  text "GVSU" at -11.557,-12.213 h12.7
  text "Collin Barnhardt" at 26.844,-12.257 h1.5
  text "ENGINEER" at 17.919,-12.282 h1.7
  text ".gvsu_address1" at 17.94,-13.951 h1
  text "LAYER" at 33.669,-13.957 h1.7
  text ".gvsu_address2" at 17.919,-15.121 h1
  text "FILE" at -12.981,-15.657 h1.7
  text "'.Pcb_File_Name_No_Path'" at -9.256,-15.657 h1.5
  text "CONFIDENTIAL" at -12.981,-16.782 h1
  text "For GVSU educational use.  May be shared by GVSU factulty and staff for educationational purposes." at -0.456,-16.782 h1

## Text inside footprints (layer, text, board x,y; h text height)
U7: Top Overlay "GND4" at 50.764,80.773 h0.94; Top Overlay "GND2" at 37.302,75.947 h0.94 r90; Top Overlay "D-" at 38.953,76.582 h1.26 r90; Top Overlay "+3.3V" at 31.079,82.17 h1.26; Top Overlay "RST" at 32.476,83.44 h1.26; Top Overlay "RTS" at 32.318,94.307 h1.26; Top Overlay "CTS" at 32.318,95.807 h1.26; Top Overlay "RX" at 32.318,97.307 h1.26; Top Overlay "TX" at 32.318,98.807 h1.26; Top Overlay "IO6" at 50.692,91.18 h1.26; Top Overlay "GND3" at 47.9,76.65 h0.94 r90; Top Overlay "IO5" at 50.692,89.68 h1.26; Top Overlay "D+" at 46.446,76.709 h1.26 r90; Top Overlay "KEY" at 50.692,82.18 h1.26; Top Overlay "IO4" at 50.692,88.18 h1.26; Top Overlay "IO3" at 50.692,86.68 h1.26; Top Overlay "LED" at 50.692,83.68 h1.26; Top Overlay "IO2" at 50.692,85.18 h1.26; Top Overlay "IO7" at 50.692,92.68 h1.26; Top Overlay "IO11" at 50.692,98.68 h1.26; Top Overlay "IO8" at 50.692,94.18 h1.26; Top Overlay "IO10" at 50.692,97.18 h1.26; Top Overlay "IO9" at 50.692,95.68 h1.26; Top Overlay "GND1" at 32.73,80.773 h0.94